# Altium PCB Copy of MB1364.PcbDoc (part 7 of 8)
Units mm, origin at the board's own origin, x right, y up, seen from the top; angles counter-clockwise.
Board outline 70 x 133.34 mm, 6 copper layers (Top Layer, Signal Layer 1, Signal Layer 2, Signal Layer 3, Signal Layer 4, Bottom Layer), stack 1.57 mm thick; 321 components, 287 nets, 1372 pads, 2051 vias.
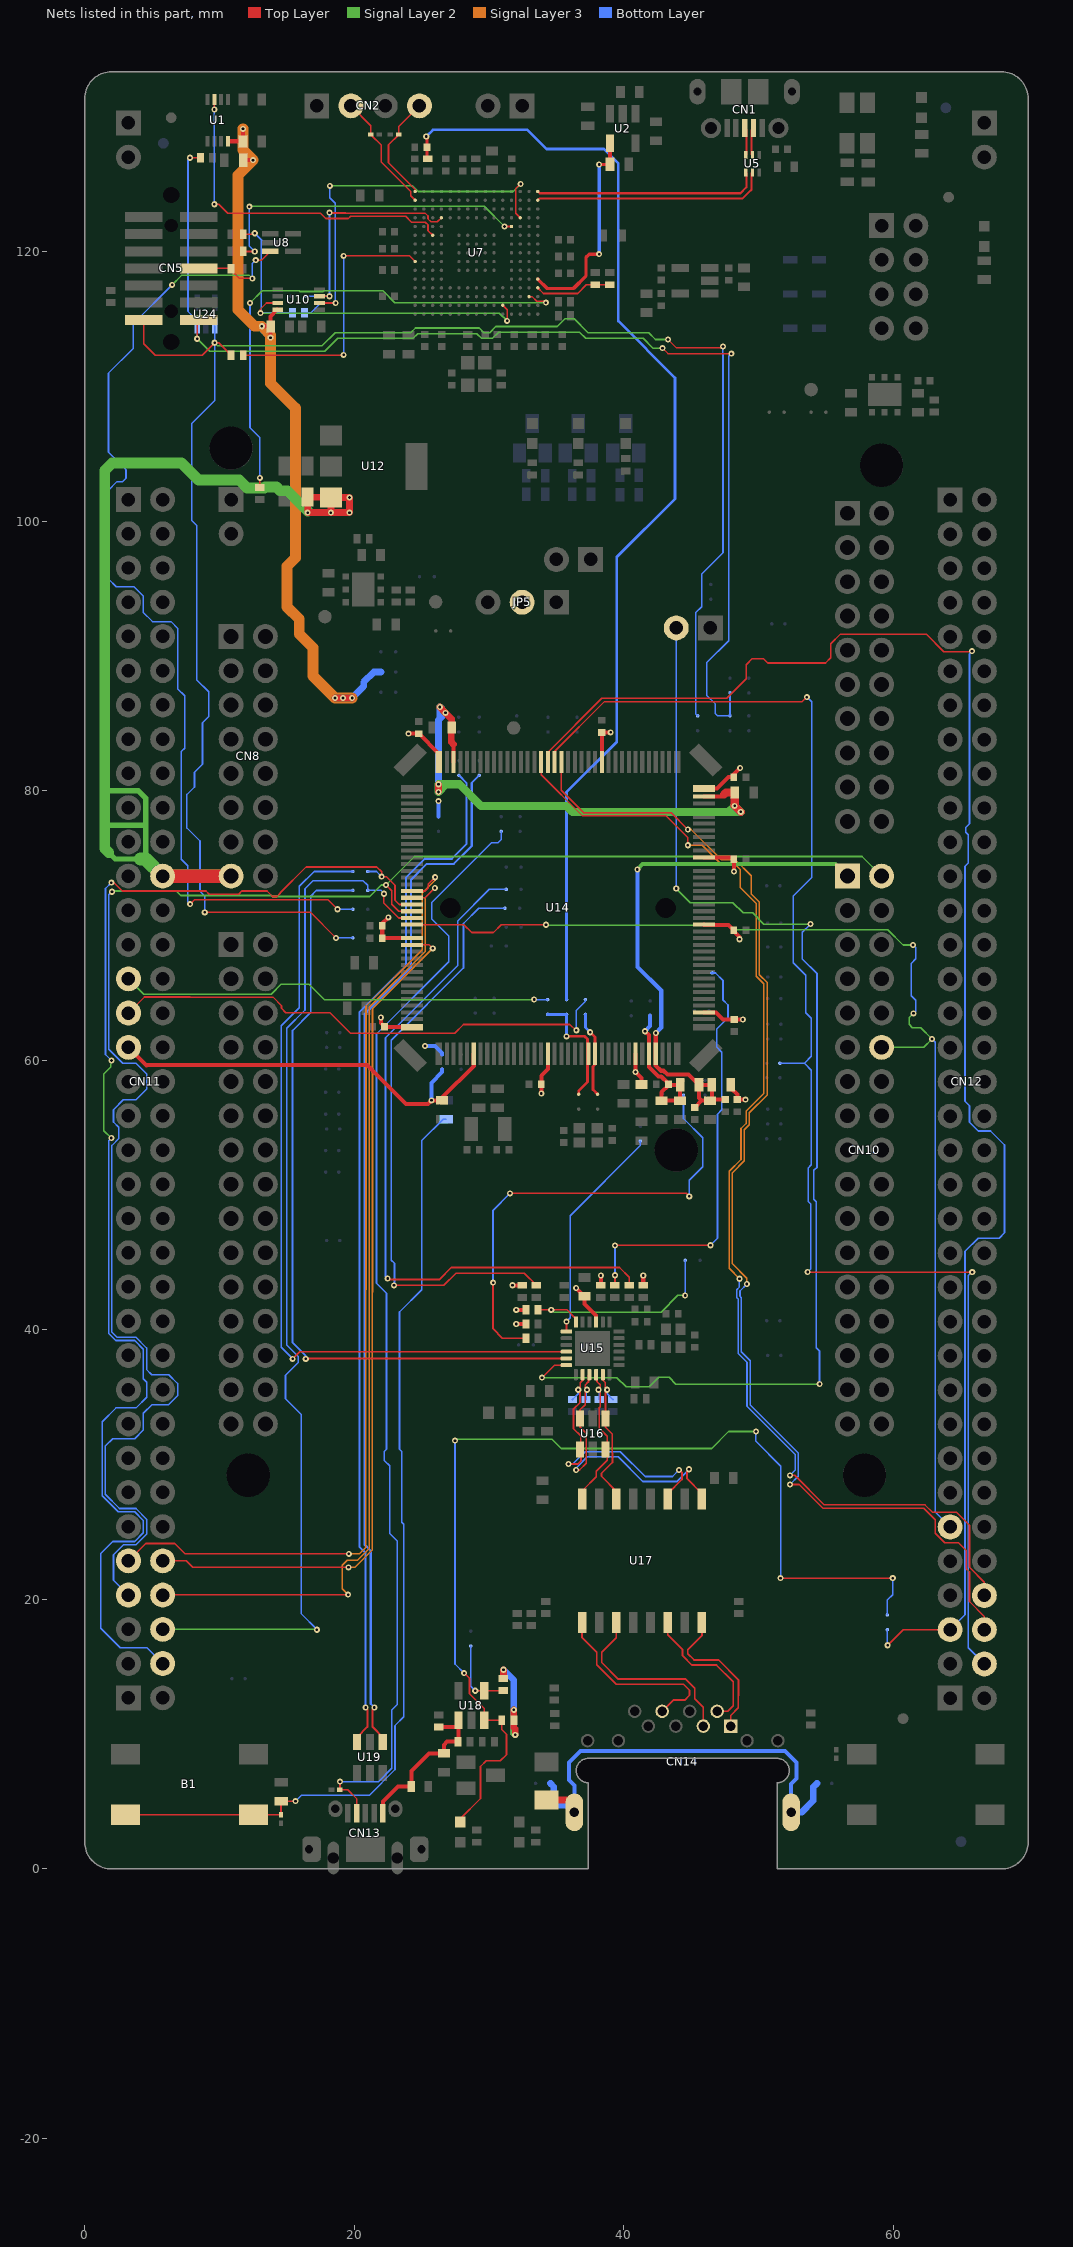
[diagram p11: the nets of this part, all layers, seen from the top]

## Via types
v1: diameter 0.45, hole 0.2, Top Layer to Bottom Layer, tented both sides, 1975 vias
v2: diameter 0.45, hole 0.2, Top Layer to Bottom Layer, tented top, 67 vias
v3: diameter 0.6, hole 0.3, Top Layer to Bottom Layer, tented both sides, 9 vias

## Nets (pads, with @x,y where several pads share a name; then routed paths per layer and width w, separated by ;. In a path a pad name is that pad's centre, name@x,y a point inside that pad or via, vN(x,y) a via of type N, cw(c..) or ccw(c..) an arc to the next point about the centre after c; other vN are vias at no path point) (continued)
PG5: CN12.68 U14.90 | length 90.4
  Top Layer w0.12: U14.90@35.366,82.129 35.366,80.027 37.028,78.365 43.51,78.365 v1(44.75,77.125) ; v1@49.125,43.405 v1(49.127,43.402) ; v1(52.325,28.525) 53.017,28.525 54.772,26.77 62.246,26.77 63.101,25.915 63.101,24.916 63.817,24.2 64.825,24.2 65.401,23.624 65.401,22.277 65.641,22.037 65.641,19.836 66.746,18.731 CN12.68@66.746,17.754
  Signal Layer 3 w0.12: v1(44.75,77.125) 44.983,77.125 47.218,74.89 48.249,74.89 49.455,73.684 49.455,72.334 50.055,71.734 50.055,66.339 50.63,65.764 50.63,57.428 49.31,56.108 49.31,55.208 48.934,54.833 48.934,52.534 48.055,51.655 48.055,44.891 49.127,43.819 v1(49.127,43.402)
  Bottom Layer w0.12: v1(49.127,43.402) 49.127,43.388 48.62,42.881 48.62,42.482 48.715,42.387 48.715,38.364 49.38,37.699 49.38,34.424 52.945,30.859 52.945,29.145 v1(52.325,28.525)
PG6: CN12.70 SB59.1 U14.91 | length 109.6
  Top Layer w0.12: U14.91@34.866,82.129 34.866,82.914 38.562,86.61 53.245,86.61 v1(53.575,86.94) ; v1(53.634,44.284) 65.841,44.284 v1(65.85,44.275)
  Bottom Layer w0.12: SB59.1@51.575,59.775 53.4,59.775 ; v1(53.575,86.94) 53.585,86.94 53.93,86.595 53.93,83.631 53.953,83.608 53.953,73.568 52.576,72.191 52.576,67.232 53.495,66.312 53.495,63.525 53.914,63.106 53.914,60.289 53.4,59.775 ; v1(53.634,44.284) 53.858,44.508 53.858,49.337 53.674,49.521 53.674,52.005 53.914,52.245 53.914,59.261 53.4,59.775 ; v1(65.85,44.275) 65.825,44.3 65.551,44.026 65.551,16.409 CN12.70@66.746,15.214
PG7: CN12.67 SB76.2 U14.92 | length 121.5
  Top Layer w0.12: U14.92@34.366,82.129 34.366,82.858 38.358,86.85 47.625,86.85 49.075,88.3 49.075,89.35 49.525,89.8 50.338,89.8 50.67,89.468 54.968,89.468 55.35,89.85 55.35,90.894 56.074,91.618 62.432,91.618 63.741,90.309 65.784,90.309 v1(65.825,90.35) ; v1(59.575,16.6) 60.729,17.754 CN12.67@64.206,17.754
  Bottom Layer w0.12: SB76.2@59.55,17.75 59.55,16.575 v1(59.575,16.6) ; CN12.67@64.206,17.754 65.311,18.859 65.311,45.822 66.288,46.799 67.849,46.799 68.241,47.191 68.241,53.707 67.2,54.749 66.288,54.749 65.641,55.396 65.641,56.619 65.311,56.949 65.311,74.399 65.551,74.639 65.551,76.731 65.37,76.912 65.37,77.268 65.641,77.539 65.641,90.166 v1(65.825,90.35)
PG8: CN12.66 U14.93 | length 88.6
  Top Layer w0.12: U14.93@33.866,82.129 33.866,81.187 36.928,78.125 43.15,78.125 44.75,76.525 v1(44.75,75.95) ; v1(52.325,29.2) 52.682,29.2 54.872,27.01 62.346,27.01 62.877,26.479 64.664,26.479 65.641,25.502 65.641,22.376 66.746,21.271 CN12.66@66.746,20.294
  Signal Layer 3 w0.12: v1(44.75,75.95) 45.819,75.95 47.119,74.65 48.15,74.65 48.625,74.175 48.625,72.825 49.815,71.635 49.815,66.239 50.39,65.664 50.39,57.528 49.07,56.208 49.07,55.308 48.694,54.932 48.694,52.634 47.815,51.754 47.815,44.559 v1(48.587,43.787)
  Bottom Layer w0.12: v1(48.587,43.787) 48.575,43.775 48.575,43.175 48.38,42.98 48.38,42.383 48.475,42.288 48.475,38.264 49.14,37.599 49.14,34.324 52.705,30.759 52.705,29.58 v1(52.325,29.2)
PG9: CN11.63 U14.124 | length 72.8
  Top Layer w0.12: CN11.63@3.246,22.859 4.537,24.15 6.675,24.15 7.45,23.375 v1(19.6,23.375) ; U14.124@24.291,72.554 25.275,72.554 25.496,72.775 25.496,73.071 v1(26,73.575)
  Signal Layer 3 w0.12: v1(19.6,23.375) 20.371,23.375 20.865,23.869 20.865,42.967 20.87,42.972 20.87,64.024 25.04,68.194 25.04,72.413 26,73.373 v1(26,73.575)
PG10: CN11.66 U14.125 | length 71.7
  Top Layer w0.12: CN11.66@5.786,20.319 5.817,20.35 v1(19.55,20.35) ; U14.125@24.291,72.054 25.254,72.054 v1(25.975,72.775)
  Signal Layer 3 w0.12: v1(19.55,20.35) 19.1,20.8 19.1,22.525 19.475,22.9 20.236,22.9 21.105,23.769 21.105,42.867 21.11,42.872 21.11,63.924 25.28,68.095 25.28,72.08 v1(25.975,72.775)
PG11: CN11.70 SB27.2 U14.126 | length 97.4
  Top Layer w0.12: v1(1.975,73.175) 2.167,73.175 2.788,72.554 8.996,72.554 9.236,72.314 11.423,72.314 11.663,72.554 13.528,72.554 13.933,72.149 14.268,72.149 14.506,72.386 14.506,72.415 16.424,74.334 21.677,74.334 22.032,73.978 v1(22.032,73.618) 22.393,73.618 23.025,72.986 23.025,71.875 23.346,71.554 U14.126@24.291,71.554
  Signal Layer 2 w0.12: v1(1.975,54.228) 1.425,54.778 1.425,58.986 1.941,59.502 1.941,59.93 v1(1.991,59.979)
  Bottom Layer w0.12: v1(1.975,54.228) 1.78,54.033 1.78,39.729 2.305,39.204 3.704,39.204 4.351,38.557 4.351,36.366 4.598,36.119 4.598,34.999 3.806,34.207 2.316,34.207 1.293,33.184 1.293,27.696 2.485,26.504 3.704,26.504 4.351,25.857 4.351,24.941 3.704,24.294 2.081,24.294 1.191,23.404 1.191,17.854 2.641,16.404 4.621,16.404 CN11.70@5.786,15.239 ; v1(1.975,73.175) 1.54,72.74 1.54,60.43 v1(1.991,59.979) ; SB27.2@21,74 21.65,74 v1(22.032,73.618)
PG12: CN10.2 CN11.65 U14.127 | length 129.9
  Top Layer w0.12: v1(22.35,73) 22.785,72.565 22.785,71.565 23.296,71.054 U14.127@24.291,71.054
  Signal Layer 2 w0.12: v1(2.025,72.5) 2.079,72.554 6.786,72.554 7.119,72.22 13.861,72.22 13.933,72.149 21.149,72.149 22,73 v1(22.35,73) 24.465,75.115 57.67,75.115 CN10.2@59.126,73.659
  Bottom Layer w0.12: v1(2.025,72.5) 2,72.5 1.78,72.28 1.78,60.82 2.829,59.771 3.806,59.771 4.598,58.979 4.598,57.859 3.806,57.067 2.871,57.067 2.141,56.337 2.141,55.421 2.535,55.027 2.535,54.19 2.02,53.676 2.02,39.828 2.404,39.444 3.803,39.444 4.591,38.656 4.591,37.059 4.986,36.664 6.244,36.664 6.891,36.017 6.891,35.101 6.244,34.454 5.004,34.454 4.351,33.801 4.351,32.561 3.704,31.914 2.072,31.914 1.533,31.375 1.533,27.796 2.585,26.744 3.803,26.744 4.591,25.956 4.591,24.842 3.803,24.054 2.878,24.054 2.141,23.317 2.141,21.424 CN11.65@3.246,20.319
PG13: CN11.68 SB30.2 U14.128 | length 78.7
  Top Layer w0.12: v1(22.2,72.35) 22.2,71.65 23.296,70.554 U14.128@24.291,70.554
  Signal Layer 2 w0.12: CN11.68@5.786,17.779 v1@17.225,17.779
  Bottom Layer w0.12: v1(17.225,17.75) 17.225,17.779 16.08,18.924 16.08,33.695 14.9,34.875 14.9,36.625 15.848,37.573 15.848,38.025 14.998,38.875 14.998,62.375 16.348,63.725 16.348,72.726 16.942,73.32 20.655,73.32 21,72.975 SB30.2@21,72.6 22,72.6 22.225,72.375 v1(22.2,72.35)
PG14: CN10.12 CN12.61 U14.129 | length 87.7
  Top Layer w0.12: U14.129@24.291,70.054 28.129,70.054 28.71,69.473 30.323,69.473 30.904,70.054 v1(34.225,70.054)
  Signal Layer 2 w0.12: v1(34.225,70.054) 34.265,70.014 47.8,70.014 48.13,69.684 59.584,69.684 60.718,68.55 v1(61.45,68.55)
  Signal Layer 2 w0.127: CN10.12@59.126,60.959 62.246,60.959 v1(62.866,61.579) 62.025,62.42 61.409,62.42 61.17,62.659 61.17,63.17 61.478,63.478 v1(61.496,63.478)
  Signal Layer 3 w0.127: v1(61.496,63.478) v1@61.553,63.478
  Bottom Layer w0.12: v1(61.45,68.55) 61.475,68.55 61.661,68.364 61.661,67.524 61.32,67.183 61.32,64.784 61.661,64.443 61.661,63.643 v1(61.496,63.478)
  Bottom Layer w0.127: v1(62.866,61.579) 63.098,61.347 63.098,26.482 CN12.61@64.206,25.374
PG15: CN11.64 U14.132 | length 64.4
  Top Layer w0.12: CN11.64@5.786,22.859 7.541,22.859 8.025,22.375 v1(19.575,22.375) ; U14.132@24.291,68.554 25.571,68.554 v1(25.825,68.3)
  Signal Layer 3 w0.12: v1(19.575,22.375) 20.05,22.375 21.345,23.67 21.345,42.768 21.35,42.773 21.35,63.825 v1(25.825,68.3)
PH0: CN11.29 SB46.2 | length 32.4
  Signal Layer 2 w0.12: CN11.29@3.246,66.039 4.386,64.899 8.234,64.899 13.835,64.9 14.585,65.65 16.625,65.65 17.776,64.499 v1(33.35,64.499)
  Bottom Layer w0.12: v1(33.35,64.499) 34.349,64.499 SB46.2@34.35,64.5
PH0-OSC_IN: SB3.1 SB45.1 SB46.1 U14.23 | length 9
  Top Layer w0.2: v1(35.75,61.775) 37.1,61.775 37.305,61.57 37.305,58.38 36.65,57.725 SB3.1@36.65,57.475
  Bottom Layer w0.2: SB46.1@34.35,63.4 SB45.1@35.75,63.4 v1(35.75,61.775)
PH1: CN11.31 SB44.2 | length 38
  Top Layer w0.12: CN11.31@3.246,63.499 4.441,64.694 7.835,64.694 7.842,64.687 13.963,64.687 14.6,64.05 14.6,63.85 14.925,63.525 18.2,63.525 19.724,62.001 27.45,62.001 28.104,62.655 35.995,62.655 36.45,62.2 v1(36.475,62.225)
  Bottom Layer w0.12: v1(36.475,62.225) 36.47,62.23 36.47,63.695 37.15,64.375 SB44.2@37.15,64.5
PH1-OSC_OUT: SB4.1 SB44.1 U14.24 | length 6.4
  Top Layer w0.2: v1(37.5,62.075) 37.866,61.709 U14.24@37.866,60.479 37.866,59.693 37.705,59.532 37.705,57.82 SB4.1@38.05,57.475
  Bottom Layer w0.2: SB44.1@37.15,63.4 37.15,62.425 v1(37.5,62.075)
RD_N: R76.1 U15.22 U16.6 U17.8 | length 11.5
  Top Layer w0.11: 38.166,32.705 38.166,34.204
  Top Layer w0.13: U17.8@36.901,27.434 36.966,27.499 36.966,28.116 37.959,29.109 37.959,29.509 38.766,30.316 38.766,31.004 U16.6@38.641,31.129 38.766,31.254 38.766,32.105 38.166,32.705 ; U15.22@37.941,36.679 38.009,36.611 38.009,36.161 38.241,35.929 38.241,35.679 v1(38.116,35.554) 38.25,35.42 38.25,34.288 38.166,34.204
  Bottom Layer w0.13: R76.1@38.191,34.829 38.191,35.479 v1(38.116,35.554) v1@38.25,35.554
RD_P: R75.1 U15.23 U16.1 U17.6 | length 11.4
  Top Layer w0.13: U15.23@38.441,36.679 38.391,36.629 38.391,36.319 38.623,36.087 38.623,35.697 v1(38.766,35.554) 38.632,35.42 38.632,33.438 U16.1@38.641,33.429 38.641,32.781 39.148,32.274 39.148,30.85 ; 39.15,30.85 39.15,30.16 38.341,29.351 38.341,29.134 39.441,28.034 U17.6@39.441,27.434
  Bottom Layer w0.13: v1(38.766,35.554) 38.766,35.254 R75.1@39.191,34.829
RMII_CRS_DV: R41.1 SB31.2 | length 44
  Top Layer w0.127: v1(22.95,43.3) 26.65,43.3 27.55,44.2 32.62,44.2 R41.1@33.516,43.304
  Bottom Layer w0.127: v1(22.95,43.3) 22.984,43.334 22.984,44.927 22.74,45.17 22.74,61.488 28.102,66.849 28.102,70.148 29.229,71.275 SB31.2@31.175,71.275
RMII_MDC: SB64.1 U15.13 | length 16.4
  Top Layer w0.127: U15.13@35.741,39.879 v1(35.741,40.604)
  Bottom Layer w0.127: v1(35.741,40.604) 36.025,40.888 36.025,48.47 41.225,53.67 SB64.1@41.225,54
RMII_MDIO: R47.1 SB72.2 U15.12 | length 16.4
  Top Layer w0.127: R47.1@33.641,41.479 v1(34.616,41.479) 35.787,41.479 36.441,40.825 U15.12@36.441,40.579
  Signal Layer 2 w0.102: v1(34.616,41.479) 34.775,41.32 42.758,41.32 43.987,42.55 v1(44.55,42.55)
  Bottom Layer w0.127: v1(44.55,42.55) 44.556,42.556 SB72.2@44.556,45.156
RMII_REF_CLK: R49.1 SB57.2 | length 35.2
  Top Layer w0.127: v1(30.3,43.5) 30.3,40.069 30.99,39.379 R49.1@32.741,39.379 ; v1(31.55,50.125) 44.625,50.125 v1(44.85,49.9)
  Bottom Layer w0.127: v1(30.3,43.5) 30.3,48.875 v1(31.55,50.125) ; SB57.2@44.425,57.4 44.425,55.675 45.85,54.25 45.85,52.1 44.85,51.1 v1(44.85,49.9)
RMII_RXD0: R44.1 SB36.1 | length 31.8
  Top Layer w0.127: R44.1@39.341,43.304 39.35,43.313 v1(39.35,44.05) ; v1(39.35,46.25) 39.375,46.275 v1(46.425,46.275)
  Bottom Layer w0.127: v1(39.35,44.05) v1(39.35,46.25) ; v1(46.425,46.275) 46.944,46.794 46.944,55.995 47.273,56.325 47.273,60.601 46.892,60.983 46.892,62.319 47.727,63.155 47.727,64.102 47.35,64.479 47.35,65.925 46.8,66.475 SB36.1@46.55,66.475 SB36.1@46.5,66.475
RMII_RXD1: R45.1 SB29.1 | length 52.8
  Top Layer w0.127: v1(22.475,43.8) 22.548,43.727 26.302,43.727 27.202,44.627 39.673,44.627 40.391,43.909 R45.1@40.391,43.304
  Bottom Layer w0.127: v1@22.475,43.95 v1(22.475,43.8) 22.313,43.961 22.313,61.665 27.675,67.026 27.675,70.325 30.025,72.675 SB29.1@31.275,72.675
RMII_TX_EN: SB27.1 U15.16 | length 60.9
  Top Layer w0.127: v1(15.425,37.85) 15.954,38.379 U15.16@35.741,38.379
  Bottom Layer w0.127: v1(15.425,37.85) 14.575,38.7 14.575,62.55 15.925,63.9 15.925,72.902 17.023,74 SB27.1@19.9,74
RMII_TXD0: SB30.1 U15.17 | length 57.9
  Top Layer w0.127: v1(16.4,37.85) 16.429,37.879 U15.17@35.741,37.879
  Bottom Layer w0.127: v1(16.4,37.85) 16.4,38.073 15.424,39.049 15.424,45.576 15.422,45.578 15.422,62.199 16.772,63.549 16.772,72.175 17.197,72.6 SB30.1@19.9,72.6
RMII_TXD1: JP6.2 U15.18 | length 89.1
  Top Layer w0.127: v1(33.925,36.45) 34.854,37.379 U15.18@35.741,37.379
  Signal Layer 2 w0.102: v1(33.925,36.45) 39.488,36.45 40.163,35.775 41.895,35.775 42.595,36.475 43.35,36.475 43.85,35.975 v1(54.525,35.975) ; v1(43.886,72.736) 44.922,71.7 48.075,71.7 48.846,70.929 49.553,70.929 50.383,70.1 v1(53.85,70.1)
  Bottom Layer w0.127: v1(43.886,72.736) JP6.2@43.886,92.074 ; v1(53.85,70.1) 53.246,69.496 53.246,67.509 54.338,66.418 54.338,52.07 54.098,51.83 54.098,49.696 54.282,49.512 54.282,38.657 54.522,38.417 54.522,35.978 v1(54.525,35.975)
RX_N: CN14.6 U17.9 | length 14.1
  Top Layer w0.13: U17.9@36.901,18.284 36.901,17.149 37.984,16.066 37.984,15.161 39.441,13.704 44.426,13.704 44.871,13.259 44.871,12.884 44.516,12.529 43.668,12.529 CN14.6@42.839,11.7
RX_P: CN14.3 U17.11 | length 14.2
  Top Layer w0.13: U17.11@39.441,18.284 39.441,17.141 38.366,16.066 38.366,15.319 39.599,14.086 44.584,14.086 45.253,13.417 45.253,12.642 45.899,11.996 CN14.3@45.899,10.6
SHGND: C85.1 CN14.SH1 CN14.SH2 SB78.1 SB79.1 | length 35.1
  Top Layer w0.5: C85.1@34.25,5.125 36.444,5.125 36.329,5.01 CN14.SH2@36.329,4.2
  Bottom Layer w0.3: CN14.SH2@36.329,4.2 36.329,6.196 35.919,6.606 35.919,7.894 36.774,8.75 51.963,8.75 52.819,7.894 52.819,6.705 52.409,6.295 CN14.SH1@52.409,4.2
  Bottom Layer w0.5: SB79.1@34.55,6.35 34.8,6.1 34.8,5.2 35.25,4.75 35.778,4.75 CN14.SH2@36.329,4.2 ; CN14.SH1@52.409,4.2 53.175,4.2 54.05,5.075 54.05,6.075 SB78.1@54.325,6.35
STLK_MCO: C5.2 R5.2 SB45.2 | length 84.3
  Top Layer w0.2: v1(25.341,128.529) 25.391,128.479 C5.2@25.391,127.729 25.391,126.954 R5.2@25.466,126.879
  Bottom Layer w0.2: v1(25.341,128.529) 25.841,129.029 32.841,129.029 34.266,127.604 38.516,127.604 39.591,126.529 39.591,114.829 43.791,110.629 43.791,101.654 39.475,97.338 39.475,83.625 35.75,79.9 SB45.2@35.75,64.5
STLK_SWCLK: CN2.2 U3.1 U7.A14 | length 9
  Top Layer w0.12: CN2.2@19.756,130.809 21.229,129.336 U3.1@21.229,128.679 21.229,128.672 22.016,127.884 22.016,126.615 24.184,124.447 24.184,124.136 U7.A14@24.516,123.804
STLK_SWDIO: CN2.4 U4.1 U7.A15 | length 8.1
  Top Layer w0.12: U7.A15@24.516,124.454 24.516,124.604 22.541,126.579 22.541,127.909 23.303,128.672 U4.1@23.303,128.679 23.303,129.276 CN2.4@24.836,130.809
STLK_VCP_RX: U1.3 U7.C10 | length 25.3
  Top Layer w0.12: v1(9.616,123.504) 9.941,123.504 10.616,122.829 17.491,122.829 17.876,122.444 19.566,122.444 19.731,122.609 23.811,122.609 24.241,122.179 25.272,122.179 25.471,121.98 25.471,121.549 U7.C10@25.816,121.204 ; v1(9.616,130.529) U1.3@9.616,131.279
  Bottom Layer w0.12: v1(9.616,123.504) v1(9.616,130.529)
STLK_VCP_TX: R23.1 U7.A7 | length 20.3
  Top Layer w0.12: R23.1@11.766,112.304 19.191,112.304 v1(19.216,112.329) ; v1(19.216,119.679) 24.091,119.679 U7.A7@24.516,119.254
  Bottom Layer w0.12: v1(19.216,112.329) v1(19.216,119.679)
T_NRSTa: R29.1 U7.P3 | length 38.1
  Top Layer w0.12: R29.1@12.991,102.504 v1(12.991,103.204) ; U7.P3@32.966,116.654 33.185,116.654 33.53,116.309 34.111,116.309 v1(34.216,116.204)
  Signal Layer 2 w0.12: v1(12.266,116.179) 13.171,117.084 15.922,117.084 15.972,117.034 17.683,117.034 17.733,117.084 22.134,117.084 23.014,116.204 v1(34.216,116.204)
  Bottom Layer w0.12: v1(12.266,116.179) 12.266,106.929 12.991,106.204 v1(12.991,103.204)
T_PWR_EN: R7.1 U2.4 U7.R5 | length 15.7
  Top Layer w0.25: U7.R5@33.616,117.954 34.316,117.254 36.266,117.254 37.191,118.179 37.191,119.554 37.441,119.804 v1(38.166,119.804) ; v1(38.166,126.454) 38.969,126.454 R7.1@38.973,126.459
  Top Layer w0.3: U2.4@38.966,128.014 38.973,128.006 R7.1@38.973,126.459
  Bottom Layer w0.25: v1(38.166,119.804) v1(38.166,126.454)
T_PWR_EXT: R14.2 R15.2 U7.R4 | length 5.8
  Top Layer w0.12: U7.R4@33.616,117.304 34.036,116.884 36.571,116.884 37.216,117.529 R14.2@37.891,117.529 R15.2@38.941,117.529
T_SWCLKa: R11.1 U7.M11 | length 24.4
  Top Layer w0.12: R11.1@11.766,120.004 v1(12.616,120.004) ; v1(31.141,121.854) U7.M11@31.666,121.854
  Signal Layer 2 w0.12: v1(12.216,123.329) 12.241,123.354 29.641,123.354 v1(31.141,121.854)
  Bottom Layer w0.12: v1(12.216,123.329) 12.216,121.552 12.211,121.547 12.211,120.409 v1(12.616,120.004)
T_SWDIO_IN: R67.2 U7.N12 U10.2 | length 30
  Top Layer w0.12: U10.2@17.416,116.179 v1(18.616,116.179) ; U7.N12@32.316,122.504 31.991,122.829 31.991,124.679 32.316,125.004 v1(32.341,125.004)
  Signal Layer 2 w0.12: v1(18.186,124.874) 24.321,124.874 24.741,124.454 31.791,124.454 v1(32.341,125.004)
  Bottom Layer w0.12: R67.2@16.316,115.454 16.791,115.454 17.516,116.179 v1(18.616,116.179) 18.591,116.204 18.591,123.581 18.186,123.986 v1(18.186,124.874)
T_SWDIOa: R10.2 R67.1 U7.L2 U10.7 | length 31
  Top Layer w0.12: R10.2@11.766,121.279 12.616,121.279 v1(12.616,121.354) ; v1(13.041,115.429) 13.041,115.729 13.491,116.179 U10.7@14.316,116.179 ; U7.L2@31.016,116.004 31.341,115.679 v1(31.341,114.854)
  Signal Layer 2 w0.12: v1(13.041,115.429) 30.766,115.429 v1(31.341,114.854)
  Bottom Layer w0.12: v1(12.616,121.354) 13.141,120.829 13.096,120.784 13.096,115.484 v1@13.066,115.454 ; v1(13.041,115.429) v1@13.066,115.454 ; R67.1@15.416,115.454 v1@13.066,115.454
T_SWO: CN5.8 R13.1 SB32.1 U8.3 | length 79.5
  Top Layer w0.12: v1(7.825,71.575) 8.149,71.899 18.051,71.899 v1(18.75,71.2) ; CN5.8@8.453,118.744 10.851,118.744 R13.1@10.866,118.729 10.866,118.629 11.491,118.004 v1(12.441,118.004) ; v1(12.691,119.354) 13.116,119.354 U8.3@13.766,120.004
  Signal Layer 2 w0.12: v1(6.491,117.529) 7.186,118.224 12.221,118.224 v1(12.441,118.004)
  Bottom Layer w0.12: v1(6.491,117.529) 3.616,114.654 3.616,112.829 1.766,110.979 1.766,105.104 3.066,103.804 3.066,103.179 2.816,102.929 2.403,102.929 1.766,102.292 1.766,95.704 2.341,95.129 3.659,95.129 4.351,94.437 4.351,93.219 5.026,92.544 6.401,92.544 6.891,92.054 6.891,87.555 7.413,87.033 7.413,83.145 7.166,82.898 7.166,74.919 7.653,74.432 7.653,71.747 v1(7.825,71.575) ; v1(12.441,118.004) 12.441,119.104 v1(12.691,119.354) ; v1(18.75,71.2) SB32.1@19.9,71.2
T_SWOa: SB5.1 U7.D12 U10.3 | length 17.6
  Top Layer w0.12: U10.3@17.416,116.679 v1(18.166,116.679) ; v1(18.166,122.879) 18.191,122.854 19.366,122.854 ; 19.366,122.849 25.252,122.849 25.471,122.63 25.471,122.418 25.69,122.199 26.161,122.199 U7.D12@26.466,122.504
  Bottom Layer w0.12: SB5.1@16.391,116.679 v1(18.166,116.679) v1(18.166,122.879)
T_VCP_RX: CN5.13 R23.2 SB12.2 SB34.1 U24.1 | length 135.3
  Top Layer w0.12: CN5.13@4.389,114.934 4.389,113.156 5.241,112.304 8.716,112.304 v1(9.641,113.229) 9.941,113.229 R23.2@10.866,112.304 ; v1(8.906,70.975) 16.75,70.975 v1(18.65,69.075) ; v1(43.275,113.475) 43.905,112.845 47.245,112.845 v1(47.35,112.95)
  Signal Layer 2 w0.12: v1(9.641,113.229) 9.851,113.019 17.631,113.019 18.591,113.979 24.191,113.979 24.536,114.324 29.271,114.324 29.616,113.979 30.041,113.979 30.496,114.434 35.061,114.434 35.636,115.009 36.313,115.009 37.343,113.979 41.845,113.979 42.349,113.475 v1(43.275,113.475)
  Bottom Layer w0.12: v1(8.906,70.975) 8.906,72.177 8.553,72.53 8.553,76.262 7.586,77.229 7.586,79.711 8.15,80.275 8.15,81.36 8.741,81.951 8.741,85.041 9.198,85.498 9.198,87.334 8.316,88.216 8.316,99.668 7.955,100.029 7.955,107.255 9.641,108.941 v1(9.641,113.229) U24.1@9.641,114.504 ; v1(18.65,69.075) SB34.1@19.9,69.075 ; SB12.2@45.475,85.55 45.321,85.704 45.321,93.196 45.77,93.645 45.77,96.07 47.353,97.653 47.353,112.375 47.35,112.379 v1(47.35,112.95)
T_VCP_TX: CN5.14 R3.1 SB9.1 SB19.2 U24.3 | length 88.1
  Top Layer w0.12: v1(7.816,126.954) R3.1@8.591,126.954 ; v1(8.341,113.529) 8.341,114.812 CN5.14@8.458,114.929 ; v1(42.875,112.829) 43.279,112.425 v1(47.975,112.425)
  Signal Layer 2 w0.12: v1(8.341,113.529) 9.271,112.599 17.805,112.599 18.765,113.559 24.365,113.559 24.71,113.904 29.097,113.904 29.442,113.559 30.261,113.559 30.716,114.014 36.714,114.014 37.169,113.559 41.436,113.559 42.166,112.829 v1(42.875,112.829)
  Bottom Layer w0.12: v1(7.816,126.954) 7.666,126.804 7.666,115.554 8.341,114.879 U24.3@8.341,114.504 v1(8.341,113.529) ; SB9.1@47.875,87.25 SB19.2@47.875,85.55 46.95,85.55 46.795,85.705 46.795,86.424 46.161,87.058 46.161,89.511 47.773,91.123 47.773,112.223 v1(47.975,112.425)
TD_N: R78.1 U15.20 U16.4 U17.3 | length 21.1
  Top Layer w0.13: v1@36.05,30.05 36.622,30.05 36.816,30.244 36.816,31.054 U16.4@36.741,31.129 36.801,31.189 36.801,32.13 36.256,32.675 36.256,34.105 36.75,34.6 36.75,35.42 v1(36.616,35.554) 36.759,35.697 36.759,36.062 36.991,36.294 36.991,36.629 U15.20@36.941,36.679 ; U17.3@43.251,27.434 43.251,27.839 44.309,28.897 44.309,29.416 v1@44.1,29.625
  Bottom Layer w0.13: v1(35.9,30.05) 36.23,30.05 37.139,30.96 39.74,30.96 41.58,29.12 43.607,29.12 v1(44.091,29.604) ; R78.1@36.191,34.829 36.616,35.254 v1(36.616,35.554)
TD_P: R77.1 U15.21 U16.3 U17.1 | length 21.6
  Top Layer w0.11: 37.216,30.379 37.216,31.815
  Top Layer w0.13: v1@36.475,29.6 36.712,29.6 37.216,30.104 37.216,30.379 ; 37.216,31.815 37.216,32.332 36.741,32.807 U16.3@36.741,33.429 36.741,34.05 37.132,34.441 37.132,35.42 v1(37.266,35.554) 37.141,35.679 37.141,35.904 37.373,36.136 37.373,36.611 U15.21@37.441,36.679 ; v1@44.837,29.637 44.691,29.491 44.691,28.954 45.791,27.854 U17.1@45.791,27.434
  Bottom Layer w0.13: v1(36.466,29.604) 36.466,29.746 37.297,30.578 39.582,30.578 41.422,28.738 43.925,28.738 v1(44.841,29.654) ; R77.1@37.191,34.829 37.191,35.479 v1(37.266,35.554)
TX_N: CN14.2 U17.14 | length 10.6
  Top Layer w0.13: U17.14@43.251,18.284 43.251,17.374 44.359,16.266 44.359,15.821 45.051,15.129 46.866,15.129 48.116,13.879 48.116,13.014 48.114,13.012 48.114,12.106 47.708,11.7 CN14.2@46.919,11.7
TX_P: CN14.1 U17.16 | length 11
  Top Layer w0.13: U17.16@45.791,18.284 45.791,17.316 44.741,16.266 44.741,15.979 45.209,15.511 47.024,15.511 48.498,14.037 48.498,12.856 48.496,12.854 48.496,11.947 47.939,11.39 CN14.1@47.939,10.6
USB_DEV_HS_CN_N: CN1.2 U5.5 | length 2.1
  Top Layer w0.155: U5.5@49.541,127.154 49.482,127.213 49.482,129.023 CN1.2@49.616,129.158